# Altium PCB PCB1.PcbDoc (part 2 of 3)
Units mm, origin at the board's own origin, x right, y up, seen from the top; angles counter-clockwise.
Board outline 120 x 57 mm, 4 copper layers (Layer 1, Layer 2, Layer 3, Layer 4), stack 1.283 mm thick; 163 components, 105 nets, 545 pads, 1469 vias.
Unrouted connection lines stored in the file: 2.
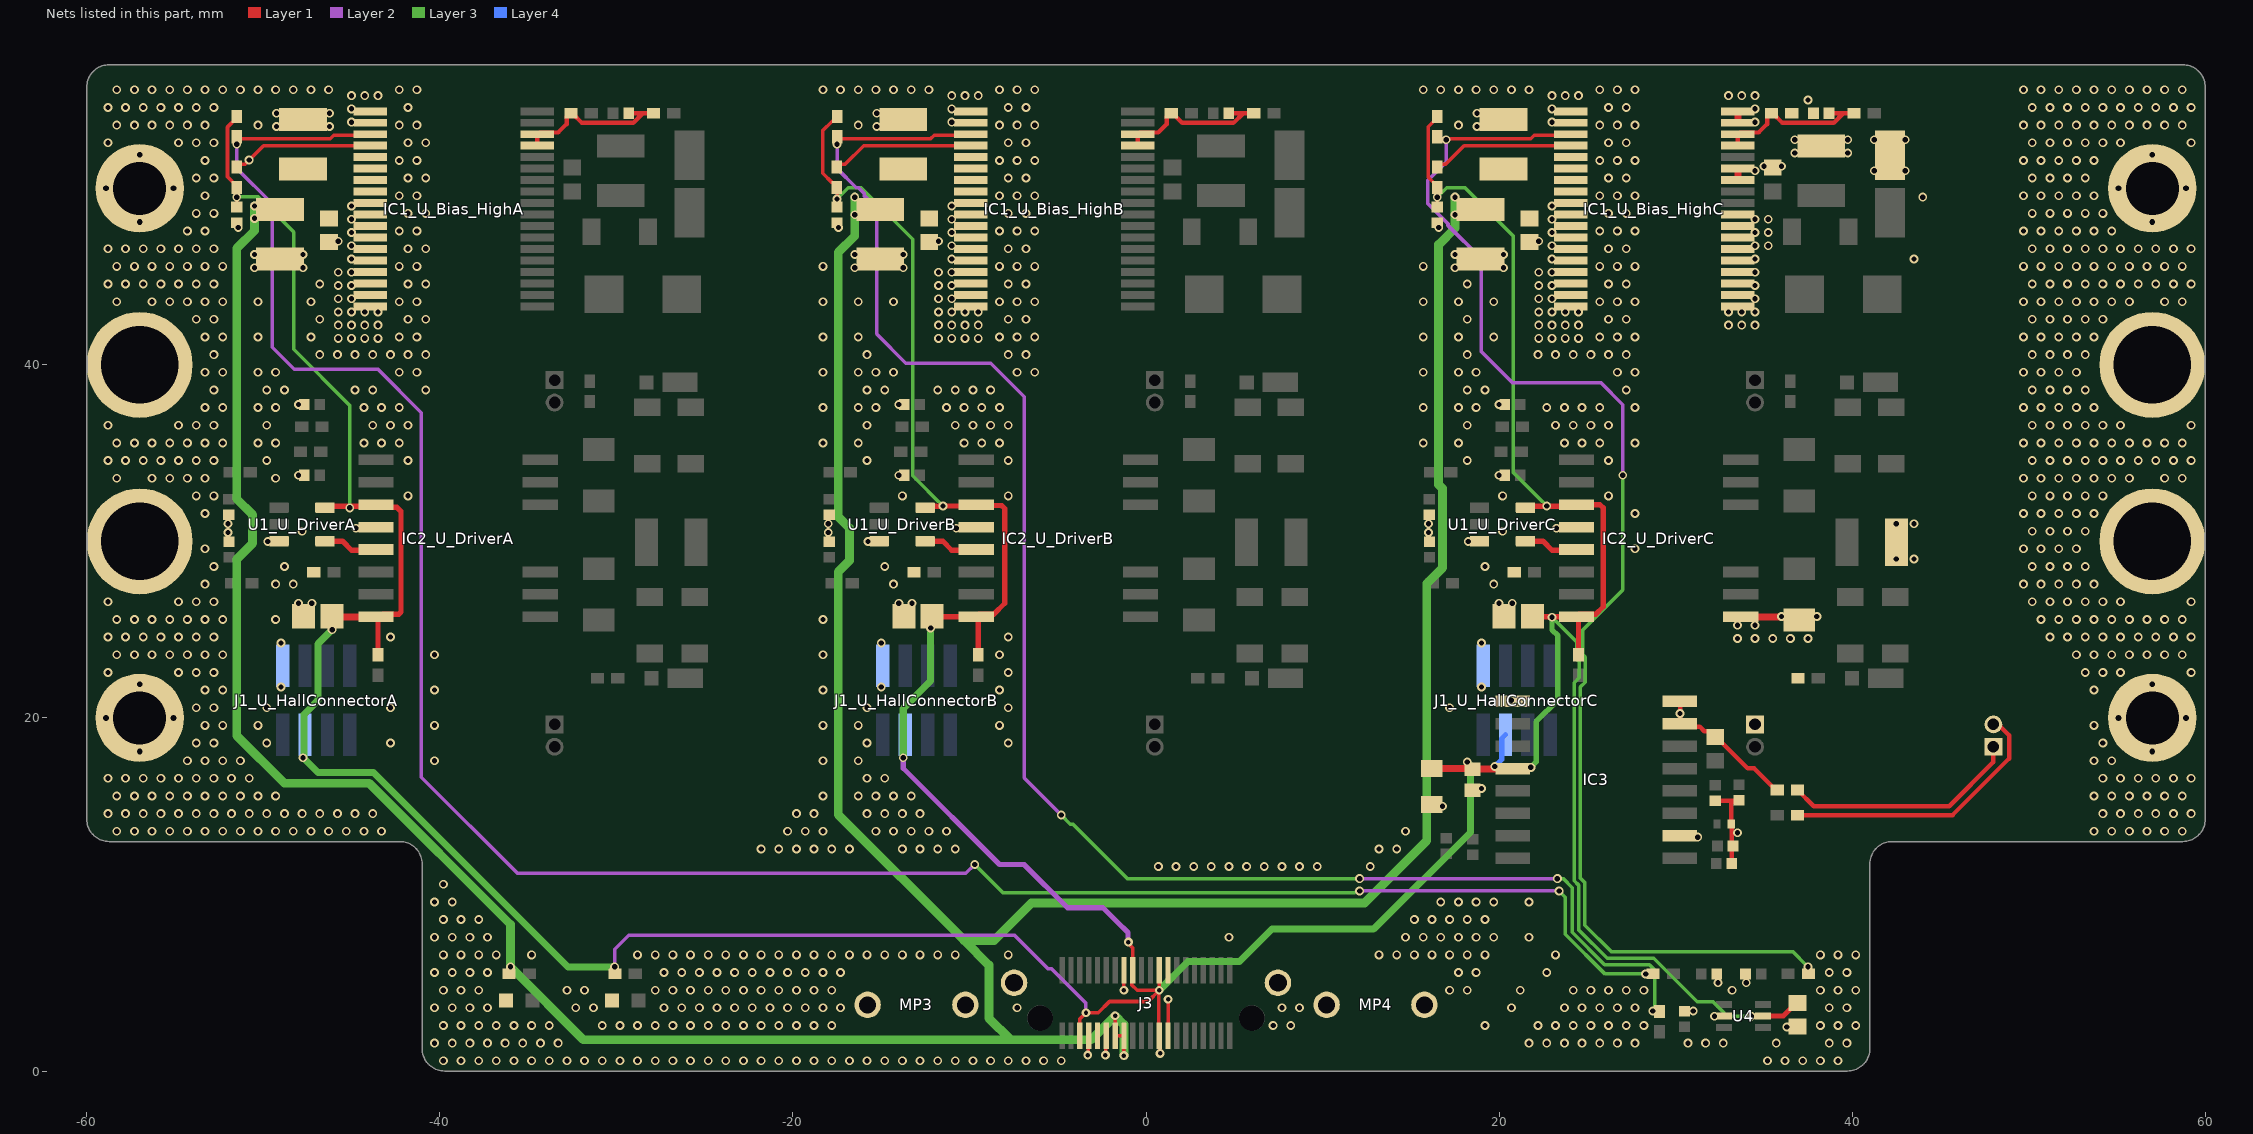
[diagram p4: the nets of this part, all layers, seen from the top]

## Part data
C1_U_Bias_HighA C1_U_Bias_HighB C1_U_Bias_HighC C4_U_Bias_HighA C4_U_Bias_HighB C4_U_Bias_HighC: library part ZRB15XR60J106ME12D, "CAP CER 10UF 6.3V X5R 0402", Capacitance="10 µF", Device Package="0402 (1005 Metric)", Manufacturer="Murata Electronics", Operating Temperature="-55°C ~ 85°C", Supplier Part Number 1=490-13251-1-ND, Temperature Coefficient=X5R, Tolerance=±20%, Voltage - Rated=6.3V, Applications="Acoustic Noise Reduction", componentlink1description=Datasheet, componentlink1url=https://psearch.en.murata.com/capacitor/product/ZRB15XR60J106ME12%23.pdf, ComponentLink2Description="DigiKey Link", ComponentLink2URL=https://www.digikey.com/en/products/detail/murata-electronics/ZRB15XR60J106ME12D/5877414, Features="Interposer Termination", lastupdated="2/9/2024 8:04:31 PM", Lifecycle Status=Active, Minimum Order=1, Mounting Type="Surface Mount, MLCC", Package / Case="0402 (1005 Metric)", packaging=TapeAndReel, Part Number=ZRB15XR60J106ME12D, Part Status=Active, partid=6019, Price=0.03, Series=ZRB, Size / Dimension="0.039\" L x 0.020\" W (1.00mm x 0.50mm)", Supplier 1=DigiKey, Thickness (Max)="0.031\" (0.80mm)"
C2_U_Bias_HighA C2_U_Bias_HighB C2_U_Bias_HighC C6_U_Bias_HighA C6_U_Bias_HighB C6_U_Bias_HighC C7_U_Bias_HighA C7_U_Bias_HighB C7_U_Bias_HighC C19_U_DriverA C19_U_DriverB C19_U_DriverC: library part MSAST32NSB5106MTNA01, "CAP CER 10UF 25V X5R 1210", Capacitance="10 µF", Device Package="1210 (3225 Metric)", Manufacturer="Taiyo Yuden", Operating Temperature="-55°C ~ 85°C", Supplier Part Number 1=587-MSAST32NSB5106MTNA01CT-ND, Temperature Coefficient=X5R, Tolerance=±20%, Voltage - Rated=25V, Applications="SMPS Filtering", componentlink1description=Datasheet, componentlink1url=https://mm.digikey.com/Volume0/opasdata/d220001/medias/docus/5731/MSR01_e.pdf, ComponentLink2Description="DigiKey Link", ComponentLink2URL=https://www.digikey.com/en/products/detail/taiyo-yuden/MSAST32NSB5106MTNA01/16661899, lastupdated="6/4/2024 7:20:40 PM", Lifecycle Status=Active, Minimum Order=1, Mounting Type="Surface Mount, MLCC", Package / Case="1210 (3225 Metric)", packaging=TapeAndReel, Part Number=MSAST32NSB5106MTNA01, partid=58126, Price=0.08, Series=MSAS, Size / Dimension="0.126\" L x 0.098\" W (3.20mm x 2.50mm)", Supplier 1=DigiKey, Thickness (Max)="0.083\" (2.10mm)"
C3_U_Bias_HighA C3_U_Bias_HighB C3_U_Bias_HighC C5_U_Bias_HighA C5_U_Bias_HighB C5_U_Bias_HighC C26: library part C0603C104K5RAC7411, "CAP CER 0.1UF 50V X7R 0603", Device Package="0603 (1608 Metric)", Manufacturer=KEMET, Operating Temperature="-55°C ~ 125°C", Supplier Part Number 1=399-C0603C104K5RAC7411CT-ND, Temperature Coefficient=X7R, Tolerance=±10%, Voltage - Rated=50V, Applications="Bypass, Decoupling", Capacitance="0.1 µF", componentlink1description=Datasheet, componentlink1url=https://api.kemet.com/component-edge/download/datasheet/C0603C104K5RAC7411.pdf, ComponentLink2Description="DigiKey Link", ComponentLink2URL=https://www.digikey.com/en/products/detail/kemet/C0603C104K5RAC7411/3317013, lastupdated="2/9/2024 8:10:30 PM", Lifecycle Status=Active, Minimum Order=1, Mounting Type="Surface Mount, MLCC", Package / Case="0603 (1608 Metric)", packaging=TapeAndReel, Part Number=C0603C104K5RAC7411, Part Status=Active, partid=2233, Price=0.01, Series="SMD Comm X7R", Size / Dimension="0.063\" L x 0.031\" W (1.60mm x 0.80mm)", Supplier 1=DigiKey, Thickness (Max)="0.035\" (0.90mm)"
C8 C35: library part C0402C104K4RECAUTO, "CAP CER 0402 0.1UF 16V X7R 10%", Device Package="0402 (1005 Metric)", Manufacturer=KEMET, Operating Temperature="-55°C ~ 125°C", Ratings=AEC-Q200, Supplier Part Number 1=399-17167-1-ND, Temperature Coefficient=X7R, Tolerance=±10%, Voltage - Rated=16V, Applications="Automotive, ESD Protection", Capacitance="0.1 µF", componentlink1description=Datasheet, componentlink1url=https://api.kemet.com/component-edge/download/datasheet/C0402C104K4RECAUTO.pdf, ComponentLink2Description="DigiKey Link", ComponentLink2URL=https://www.digikey.com/en/products/detail/kemet/C0402C104K4RECAUTO/8563695, lastupdated="2/9/2024 8:04:38 PM", Lifecycle Status=Active, Minimum Order=1, Mounting Type="Surface Mount, MLCC", Package / Case="0402 (1005 Metric)", packaging=TapeAndReel, Part Number=C0402C104K4RECAUTO, Part Status=Active, partid=1731, Price=0.01, Series="ESD SMD Auto X7R", Size / Dimension="0.039\" L x 0.020\" W (1.00mm x 0.50mm)", Supplier 1=DigiKey, Thickness (Max)="0.022\" (0.55mm)"
C9_U_DriverA C9_U_DriverB C9_U_DriverC: library part CGA4J3X7R1C155M125AB, "CAP CER 1.5UF 16V X7R 0805", Capacitance="1.5 µF", Device Package="0805 (2012 Metric)", Manufacturer="TDK Corporation", Operating Temperature="-55°C ~ 125°C", Ratings=AEC-Q200, Supplier Part Number 1=445-12732-1-ND, Temperature Coefficient=X7R, Tolerance=±20%, Voltage - Rated=16V, Applications=Automotive, componentlink1description=Datasheet, componentlink1url=https://product.tdk.com/info/en/catalog/datasheets/mlcc_automotive_general_en.pdf?ref_disty=digikey, ComponentLink2Description="DigiKey Link", ComponentLink2URL=https://www.digikey.com/en/products/detail/tdk-corporation/CGA4J3X7R1C155M125AB/3949968, lastupdated="2/9/2024 8:15:20 PM", Lifecycle Status=Active, Minimum Order=1, Mounting Type="Surface Mount, MLCC", Package / Case="0805 (2012 Metric)", packaging=TapeAndReel, Part Number=CGA4J3X7R1C155M125AB, Part Status=Active, partid=18072, Price=0.04, Series=CGA, Size / Dimension="0.079\" L x 0.049\" W (2.00mm x 1.25mm)", Supplier 1=DigiKey, Thickness (Max)="0.057\" (1.45mm)"
C10 C25: library part ZRB157R61E225KE11D, "CAP CER 2.2UF 25V X5R 0402", Capacitance="2.2 µF", Device Package="0402 (1005 Metric)", Manufacturer="Murata Electronics", Operating Temperature="-55°C ~ 85°C", Supplier Part Number 1=490-10982-1-ND, Temperature Coefficient=X5R, Tolerance=±10%, Voltage - Rated=25V, Applications="Acoustic Noise Reduction", componentlink1description=Datasheet, componentlink1url=https://search.murata.co.jp/Ceramy/image/img/A01X/G101/ENG/ZRB157R61E225KE11-01.pdf, ComponentLink2Description="DigiKey Link", ComponentLink2URL=https://www.digikey.com/en/products/detail/murata-electronics/ZRB157R61E225KE11D/5321074, Features="Interposer Termination", lastupdated="2/9/2024 8:04:27 PM", Lifecycle Status=Active, Minimum Order=1, Mounting Type="Surface Mount, MLCC", Package / Case="0402 (1005 Metric)", packaging=TapeAndReel, Part Number=ZRB157R61E225KE11D, Part Status=Active, partid=8590, Price=0.04, Series=ZRB, Size / Dimension="0.039\" L x 0.020\" W (1.00mm x 0.50mm)", Supplier 1=DigiKey, Thickness (Max)="0.033\" (0.85mm)"
C11: library part GRM155C71A105KE11D, "CAP CER 1UF 10V X7S 0402", Capacitance="1 µF 25V", Device Package="0402 (1005 Metric)", Manufacturer="Murata Electronics", Operating Temperature="-55°C ~ 125°C", Supplier Part Number 1=490-14457-1-ND, Temperature Coefficient=X7S, Tolerance=±10%, Voltage - Rated=10V, Applications="General Purpose", componentlink1description=Datasheet, componentlink1url=https://search.murata.co.jp/Ceramy/image/img/A01X/G101/ENG/GRM155C71A105KE11-01.pdf, ComponentLink2Description="DigiKey Link", ComponentLink2URL=https://www.digikey.com/en/products/detail/murata-electronics/GRM155C71A105KE11D/6606086, lastupdated="7/23/2025 10:42:36 AM", Lifecycle Status=Active, Minimum Order=1, Mounting Type="Surface Mount, MLCC", Package / Case="0402 (1005 Metric)", packaging=TapeAndReel, Part Number=GRM155C71A105KE11D, Part Status=Active, partid=1749, Price=0.01, Series=GRM, Size / Dimension="0.039\" L x 0.020\" W (1.00mm x 0.50mm)", Supplier 1=DigiKey, Thickness (Max)="0.024\" (0.60mm)"
C12: library part UMK105CG102JVHF, "CAP CER 1000PF 50V C0G/NP0 0402", Capacitance="1000 pF 25V", Device Package="0402 (1005 Metric)", Manufacturer="Taiyo Yuden", Operating Temperature="-55°C ~ 125°C", Ratings=AEC-Q200, Supplier Part Number 1=587-3737-1-ND, Temperature Coefficient="C0G, NP0", Tolerance=±5%, Voltage - Rated=50V, Applications=Automotive, componentlink1description=Datasheet, componentlink1url="https://ds.yuden.co.jp/TYCOMPAS/ut/detail?pn=UMK105CG102JVHF &u=M", ComponentLink2Description="DigiKey Link", ComponentLink2URL=https://www.digikey.com/en/products/detail/taiyo-yuden/UMK105CG102JVHF/4811103, lastupdated="2/9/2024 8:04:38 PM", Lifecycle Status=Active, Minimum Order=1, Mounting Type="Surface Mount, MLCC", Package / Case="0402 (1005 Metric)", packaging=TapeAndReel, Part Number=UMK105CG102JVHF, Part Status=Active, partid=1779, Price=0.01, Series=M, Size / Dimension="0.039\" L x 0.020\" W (1.00mm x 0.50mm)", Supplier 1=DigiKey, Thickness (Max)="0.022\" (0.55mm)"
C13: library part CMP-08246-001507-1, "Cap Ceramic 1uF 25V X7R 10% Pad SMD 0603 +125°C Automotive T/R", Capacitance=1uF, Case Code (Imperial)=0603, Case Code (Metric)=1608, Dielectric=X7R, Max Operating Temperature=125°C, Min Operating Temperature=-55°C, Package Quantity=4000, Ratings=AEC-Q200, Tolerance=10%, Voltage=25V, Case/Package=0603, Composition=Ceramic, Depth=0.8mm, Height=0.8mm, Lead Free="Lead Free", Length=1.6mm, Mount="Surface Mount", packaging="Tape and Reel", REACH SVHC="No SVHC", Termination=SMD/SMT, Thickness=0.035inch, Voltage Rating=25V, Voltage Rating (DC)=25V, Weight=7.1E-05oz, Width=0.031inch
C14: library part VJ0603Y104MXQCW1BC, Capacitance="0.1 µF", Device Package="0603 (1608 Metric)", Manufacturer="Vishay Vitramon", Operating Temperature="-55°C ~ 125°C", Supplier Part Number 1=720-VJ0603Y104MXQCW1BCCT-ND, Temperature Coefficient=X7R, Tolerance=±20%, Voltage - Rated=10V, Applications="General Purpose", componentlink1description=Datasheet, componentlink1url=https://www.vishay.com/docs/28548/vjw1bcbascomseries.pdf, ComponentLink2Description="DigiKey Link", ComponentLink2URL=https://www.digikey.com/en/products/detail/vishay-vitramon/VJ0603Y104MXQCW1BC/8305323, lastupdated="2/9/2024 8:09:54 PM", Lifecycle Status=Active, Minimum Order=1, Mounting Type="Surface Mount, MLCC", Package / Case="0603 (1608 Metric)", packaging=TapeAndReel, Part Number=VJ0603Y104MXQCW1BC, Part Status=Active, partid=34594, Price=0.01, Series="VJ W1BC", Size / Dimension="0.063\" L x 0.031\" W (1.60mm x 0.80mm)", Supplier 1=DigiKey, Thickness (Max)="0.034\" (0.87mm)"
C17_U_DriverA C17_U_DriverB C17_U_DriverC C20_U_DriverA C20_U_DriverB C20_U_DriverC C22_U_DriverA C22_U_DriverB C22_U_DriverC C23_U_DriverA C23_U_DriverB C23_U_DriverC: library part ZRB157R61E225KE11D, "CAP CER 2F 25V X5R 0402", Capacitance="2.2 µF", Device Package="0402 (1005 Metric)", Manufacturer="Murata Electronics", Operating Temperature="-55°C ~ 85°C", Supplier Part Number 1=490-10982-1-ND, Temperature Coefficient=X5R, Tolerance=±10%, Voltage - Rated=25V, Applications="Acoustic Noise Reduction", componentlink1description=Datasheet, componentlink1url=https://search.murata.co.jp/Ceramy/image/img/A01X/G101/ENG/ZRB157R61E225KE11-01.pdf, ComponentLink2Description="DigiKey Link", ComponentLink2URL=https://www.digikey.com/en/products/detail/murata-electronics/ZRB157R61E225KE11D/5321074, Features="Interposer Termination", lastupdated="2/9/2024 8:04:27 PM", Lifecycle Status=Active, Minimum Order=1, Mounting Type="Surface Mount, MLCC", Package / Case="0402 (1005 Metric)", packaging=TapeAndReel, Part Number=ZRB157R61E225KE11D, Part Status=Active, partid=8590, Price=0.04, Series=ZRB, Size / Dimension="0.039\" L x 0.020\" W (1.00mm x 0.50mm)", Supplier 1=DigiKey, Thickness (Max)="0.033\" (0.85mm)"
C18_U_DriverA C18_U_DriverB C18_U_DriverC C21_U_DriverA C21_U_DriverB C21_U_DriverC: library part VPDD631W103K1GV001E, "HV CAP 0.01F 630V 1206 X7R", Capacitance="10000 pF", Device Package="1206 (3216 Metric)", Manufacturer="Johanson Dielectrics Inc.", Operating Temperature="-55°C ~ 125°C", Supplier Part Number 1=709-VPDD631W103K1GV001ECT-ND, Temperature Coefficient=X7R, Tolerance=±10%, Voltage - Rated=630V, Applications="General Purpose", componentlink1description=Datasheet, componentlink1url=https://www.johansondielectrics.com/datasheets/export/e1.php?name=VPDD631W103K1GV001E, ComponentLink2Description="DigiKey Link", ComponentLink2URL=https://www.digikey.com/en/products/detail/johanson-dielectrics-inc/VPDD631W103K1GV001E/21283575, Features="High Voltage", lastupdated="6/4/2024 7:09:59 PM", Lifecycle Status=Active, Minimum Order=1, Mounting Type="Surface Mount, MLCC", Package / Case="1206 (3216 Metric)", packaging=TapeAndReel, Part Number=VPDD631W103K1GV001E, partid=57082, Price=0.02, Series=HVS-PME, Size / Dimension="0.125\" L x 0.062\" W (3.17mm x 1.57mm)", Supplier 1=DigiKey, Thickness (Max)="0.067\" (1.70mm)"
C24: library part CMP-2006-03022-3, "CAP CER 1000PF 50V X7R 0603", Capacitance="1,000 pF", Manufacturer=KEMET, Package=C0603C-CF, Temperature="-55°C to +125°C", Temperature Characteristic=X7R, Temperature Coefficient=30ppm/°C, Temperature Range High=+125°C, Temperature Range Low=-55°C, Tolerance=0.1, Voltage Rating="50 V", Automotive=Yes, Automotive Grade="Grade 1", Category=Cap, ComponentLink2Description=Datasheet, ComponentLink2URL=https://api.kemet.com/component-edge/download/datasheet/C0603C100J5GACAUTO.pdf, Device Class L1="Passive Components", Device Class L2=Capacitors, Device Class L3="Ceramic Capacitors", Digikey Description="CAP CER 1000PF 50V X7R 0603", Height=0.87mm, Lead Free=Yes, Manufacturer Part Number=C0603C102K5RACTU, Material=Ceramic, Mouser Description="Capacitor; Ceramic; Cap; 1000pF; Tol 10%; SMT; Vol-Rtg 50V; X7R; Tape and Reel", Octopart=https://octopart.com/c0603c102k5ractu-kemet-144878, RoHS=TRUE
C28 C32 C33: library part C0402C103K4RECAUTO, "CAP CER 10000PF 16V X7R 0402", Device Package="0402 (1005 Metric)", Manufacturer=KEMET, Operating Temperature="-55°C ~ 125°C", Ratings=AEC-Q200, Supplier Part Number 1=399-17876-1-ND, Temperature Coefficient=X7R, Tolerance=±10%, Voltage - Rated=16V, Applications="Automotive, ESD Protection", Capacitance="10000 pF", componentlink1description=Datasheet, componentlink1url=https://api.kemet.com/component-edge/download/datasheet/C0402C103K4RECAUTO.pdf, ComponentLink2Description="DigiKey Link", ComponentLink2URL=https://www.digikey.com/en/products/detail/kemet/C0402C103K4RECAUTO/8640470, lastupdated="2/9/2024 8:04:38 PM", Lifecycle Status=Active, Minimum Order=1, Mounting Type="Surface Mount, MLCC", Package / Case="0402 (1005 Metric)", packaging=TapeAndReel, Part Number=C0402C103K4RECAUTO, Part Status=Active, partid=1725, Price=0.01, Series="ESD SMD Auto X7R", Size / Dimension="0.039\" L x 0.020\" W (1.00mm x 0.50mm)", Supplier 1=DigiKey, Thickness (Max)="0.022\" (0.55mm)"
C34: library part TMK105BJ103KP-F, "CAP CER 10000PF 25V X5R 0402", Device Package="0402 (1005 Metric)", Manufacturer="Taiyo Yuden", Operating Temperature="-55°C ~ 85°C", Supplier Part Number 1=587-5593-1-ND, Temperature Coefficient=X5R, Tolerance=±10%, Voltage - Rated=25V, Applications="SMPS Filtering", Capacitance="10000 pF", componentlink1description=Datasheet, componentlink1url="https://ds.yuden.co.jp/TYCOMPAS/ut/detail?pn=TMK105BJ103KP-F  &u=M", ComponentLink2Description="DigiKey Link", ComponentLink2URL=https://www.digikey.com/en/products/detail/taiyo-yuden/TMK105BJ103KP-F/5182051, lastupdated="2/9/2024 8:04:38 PM", Lifecycle Status=Active, Minimum Order=1, Mounting Type="Surface Mount, MLCC", Package / Case="0402 (1005 Metric)", packaging=TapeAndReel, Part Number=TMK105BJ103KP-F, Part Status=Active, partid=1788, Price=0.01, Series=M, Size / Dimension="0.039\" L x 0.020\" W (1.00mm x 0.50mm)", Supplier 1=DigiKey, Thickness (Max)="0.022\" (0.55mm)"
D1_U_DriverA D1_U_DriverB D1_U_DriverC: "Diode", Manufacturer_Name=STMicroelectronics, Mouser Part Number=511-STTH112UFY, Arrow Part Number=STTH112UFY, Arrow Price/Stock=https://www.arrow.com/en/products/stth112ufy/stmicroelectronics?region=europe, Datasheet Link=https://www.st.com/resource/en/datasheet/stth112-y.pdf, Height=1.1mm, Manufacturer_Part_Number=STTH112UFY, Mouser Price/Stock=https://www.mouser.co.uk/ProductDetail/STMicroelectronics/STTH112UFY?qs=DqCdCwOw4%2F7HJr4wLNNIMw%3D%3D
D2_U_DriverA D2_U_DriverB D2_U_DriverC D3_U_DriverA D3_U_DriverB D3_U_DriverC: "Schottky Diode", Arrow Part Number=MSS1P4-M3/89A, Manufacturer_Name=Vishay, Mouser Part Number=625-MSS1P4-M3, Arrow Price/Stock=https://www.arrow.com/en/products/mss1p4-m389a/vishay?utm_currency=USD&region=nac, Datasheet Link=https://www.vishay.com/docs/89019/mss1p4.pdf, Manufacturer_Part_Number=MSS1P4-M3/89A, Mouser Price/Stock=https://www.mouser.co.uk/ProductDetail/Vishay-General-Semiconductor/MSS1P4-M3-89A?qs=fLSHF8TigmUkO6GnwlXAxQ%3D%3D
D4 D5: library part SECU1413C-TG20, "GREEN, D=564NM, IV=75MCD", Current - Test=20mA, Device Package="0603 (1608 Metric)", Manufacturer=Sanken, Millicandela Rating=75mcd, Supplier Device Package=0603, Supplier Part Number 1=1261-SECU1413C-TG20TR-ND, Voltage - Forward (Vf) (Typ)=2.1V, Color=Green, componentlink1description=Datasheet, componentlink1url=https://www.semicon.sanken-ele.co.jp/sk_content/secu1413c-tg20_ds_en.pdf, ComponentLink2Description="DigiKey Link", ComponentLink2URL=https://www.digikey.com/en/products/detail/sanken/SECU1413C-TG20/16639358, Height (Max)=1.48mm, lastupdated="6/3/2024 7:58:48 PM", Lens Size="0.92mm Dia", Lens Style="Round with Domed Top", Lifecycle Status=Active, Minimum Order=1, Mounting Type="Surface Mount", Package / Case="0603 (1608 Metric)", packaging=CutTape, Part Number=SECU1413C-TG20, Part Status=Active, partid=1166, Price=0.28, Series=-, Size / Dimension="1.60mm L x 0.80mm W", Supplier 1=DigiKey, Viewing Angle=60°, Wavelength - Dominant=564nm
D6_U_Bias_HighA D6_U_Bias_HighB D6_U_Bias_HighC: library part CMP-0548-00226-2, "Transient Voltage Suppressor, 6.40 to 231 V, 20 V Stand-off Voltage, Uni-Directional, -55 to 155 degC, 2-pin DO-214AC, Pb-Free, Tape and Reel", Manufacturer="Vishay Semiconductor", Operating Junction and Storage Temperature Range="-55 to 150 degC", componentlink1description="Manufacturer URL", componentlink1url=http://www.vishay.com/, ComponentLink2Description=Datasheet, ComponentLink2URL=http://www.vishay.com/docs/88390/smaj50a.pdf, ComponentLink3Description="Package Specification", ComponentLink3URL=http://www.vishay.com/docs/88390/smaj50a.pdf, DatasheetVersion=12/8/2013, ID (uA)=1, IFSM="40 A", Mounting Technology="Surface Mount", PackageDescription="2-Pin DO-214AC (SMA), Body 4.245 x 2.665 mm", PackageReference=DO-214AC-2, Packing="Tape and Reel", PartNumber=SMAJ20A-E3/61, PPPM (W)="400, 300", RoHS=TRUE, VBR Uni-Directional (V)="6.4 to 231", VWM (V)=20
IC1_U_Bias_HighA IC1_U_Bias_HighB IC1_U_Bias_HighC: "Integrated Circuit", Manufacturer_Name="Texas Instruments", Mouser Part Number=595-UCC14141QDWNRQ1, Arrow Part Number=UCC14141QDWNRQ1, Arrow Price/Stock=https://www.arrow.com/en/products/ucc14141qdwnrq1/texas-instruments?utm_currency=USD&region=nac, Datasheet Link=https://www.ti.com/lit/ds/symlink/ucc14141-q1.pdf?ts=1698771279569&ref_url=https%253A%252F%252Fwww.ti.com%252Fsitesearch%252Fen-us%252Fdocs%252Funiversalsearch.tsp%253FlangPref%253Den-US%2526searchTerm%253DUCC14141QDWNRQ1%2526nr%253D3, Height=3.55mm, Manufacturer_Part_Number=UCC14141QDWNRQ1, Mouser Price/Stock=https://www.mouser.co.uk/ProductDetail/Texas-Instruments/UCC14141QDWNRQ1?qs=HoCaDK9Nz5fMbqXhrb3e4A%3D%3D
IC2_U_DriverA IC2_U_DriverB IC2_U_DriverC: "Integrated Circuit", Manufacturer_Name="Texas Instruments", Mouser Part Number=595-UCC21550ADWKR, Arrow Part Number=UCC21550ADWKR, Arrow Price/Stock=https://www.arrow.com/en/products/ucc21550adwkr/texas-instruments?utm_currency=USD&region=nac, Datasheet Link=https://www.ti.com/lit/gpn/UCC21550, Height=2.65mm, Manufacturer_Part_Number=UCC21550ADWKR, Mouser Price/Stock=https://www.mouser.co.uk/ProductDetail/Texas-Instruments/UCC21550ADWKR?qs=IKkN%2F947nfBAXILs21qR6A%3D%3D
IC3: "Integrated Circuit", Manufacturer_Name="Texas Instruments", Datasheet Link=https://www.ti.com/lit/gpn/amc3311-q1?HQS=ti-null-null-sf-df-pf-sep-wwe&DCM=yes?hkey=EF798316E3902B6ED9A73243A3159BB0, Height=2.65mm, Manufacturer_Part_Number=PAMC3311QDWERQ1
"J2_U_Gate Connector" "J2_U_Gate ConnectorAA" "J2_U_Gate ConnectorAB" "J2_U_Gate ConnectorBA" "J2_U_Gate ConnectorBB" "J2_U_Gate ConnectorCA" "J2_U_Gate ConnectorCB": "Connector Header position", Package=None, Availability=Unavailable, MF=Samtec, MP=TMS-102-01-G-S, Price=None, SnapEDA_Link=https://www.snapeda.com/parts/TMS-102-01-G-S/Samtec%20Inc./view-part/564083/?ref=snap, Toby_UK-Purchase-URL=https://snapeda.com/shop?store=Toby+UK&id=564083
MP1 MP2: library part 9775066360R, "WA-SMSR SMT Steel Spacer Reverse, M3 x 6.6mm", Manufacturer="Wurth Elektronik", Operating Temperature Max=150°C, Operating Temperature Min=-55°C, Category="SMT Spacers", componentlink1description="Website Link", componentlink1url=https://www.we-online.com/redexpert/article/9775066360R?ad, ComponentLink2Description="Datasheet Link", ComponentLink2URL=https://www.we-online.com/redexpert/spec/9775066360R?ad, Inside Diameter=4.2mm, Manufacturer Part Number=9775066360R, Match Code=WA-SMSR, Material=Steel, Mount="Surface Mount", Outside Diameter=6mm, packaging="Tape and Reel", Pin Length=6.6mm, Surface=Tin, Thread Size=M3
MP3 MP4: library part 7466313R, "WP-SMRA REDCUBE SMT Right Angled with pins, M3, 50A", Manufacturer="Wurth Elektronik", Operating Temperature Max=150°C, Operating Temperature Min=-55°C, Rated Current=50A, Category="REDCUBE SMT", componentlink1description="Website Link", componentlink1url=https://www.we-online.com/redexpert/article/7466313R?ad, ComponentLink2Description="Datasheet Link", ComponentLink2URL=https://www.we-online.com/redexpert/spec/7466313R?ad, Height=7mm, Manufacturer Part Number=7466313R, Match Code=WP-SMRA, Material=Brass, Mount="Surface Mount", packaging="Tape and Reel", Surface=Tin, Thread Size=M3
MP5 MP6: library part 9775026360R, "WA-SMSR SMT Steel Spacer Reverse, M3 x 2.6mm", Manufacturer="Wurth Elektronik", Operating Temperature Max=150°C, Operating Temperature Min=-55°C, Category="SMT Spacers", componentlink1description="Website Link", componentlink1url=https://www.we-online.com/redexpert/article/9775026360R?ad, ComponentLink2Description="Datasheet Link", ComponentLink2URL=https://www.we-online.com/redexpert/spec/9775026360R?ad, Inside Diameter=4.2mm, Manufacturer Part Number=9775026360R, Match Code=WA-SMSR, Material=Steel, Mount="Surface Mount", Outside Diameter=6mm, packaging="Tape and Reel", Pin Length=2.6mm, Surface=Tin, Thread Size=M3
R1_U_Bias_HighA R1_U_Bias_HighB R1_U_Bias_HighC R2_U_Bias_HighA R2_U_Bias_HighB R2_U_Bias_HighC R4_U_DriverA R4_U_DriverB R4_U_DriverC R6_U_Bias_HighA R6_U_Bias_HighB R6_U_Bias_HighC R10_U_DriverA R10_U_DriverB R10_U_DriverC R11_U_DriverA R11_U_DriverB R11_U_DriverC R12_U_DriverA R12_U_DriverB R12_U_DriverC R13_U_DriverA R13_U_DriverB R13_U_DriverC R15_U_DriverA R15_U_DriverB R15_U_DriverC R16_U_DriverA R16_U_DriverB R16_U_DriverC R18_U_HallConnectorA R18_U_HallConnectorB R18_U_HallConnectorC R19 R20 R21 R22_U_Bias_HighA R22_U_Bias_HighB R22_U_Bias_HighC R26 R27: library part RP73PF1E249KBTD, "RES 249K OHM 0.1% 1/10W 0402", Device Package="0402 (1005 Metric)", Manufacturer="TE Connectivity Passive Product", Operating Temperature="-55°C ~ 155°C", Power (Watts)="0.1W, 1/10W", Resistance="249 kOhms", Supplier Device Package=0402, Supplier Part Number 1=A127549CT-ND, Temperature Coefficient=±25ppm/°C, Tolerance=±0.1%, componentlink1description=Datasheet, componentlink1url=https://www.te.com/commerce/DocumentDelivery/DDEController?Action=srchrtrv&DocNm=1773272&DocType=DS&DocLang=English, ComponentLink2Description="DigiKey Link", ComponentLink2URL=https://www.digikey.com/en/products/detail/te-connectivity-passive-product/RP73PF1E249KBTD/8261091, Composition="Thin Film", Height - Seated (Max)="0.014\" (0.35mm)", lastupdated="2/9/2024 8:30:24 PM", Lifecycle Status=Active, Minimum Order=1, Number of Terminations=2, Package / Case="0402 (1005 Metric)", packaging=TapeAndReel, Part Number=RP73PF1E249KBTD, Part Status=Active, partid=2418, Price=0.07, Series="RP73, Holsworthy", Size / Dimension="0.039\" L x 0.020\" W (1.00mm x 0.50mm)", Supplier 1=DigiKey
R3_U_DriverA R3_U_DriverB R3_U_DriverC R8_U_DriverA R8_U_DriverB R8_U_DriverC R9_U_DriverA R9_U_DriverB R9_U_DriverC R14_U_DriverA R14_U_DriverB R14_U_DriverC R17_U_DriverA R17_U_DriverB R17_U_DriverC: library part RL1206FR-7W0R1L, "RES 0.1 OHM 1% 1/2W 1206", Device Package="1206 (3216 Metric)", Manufacturer=Yageo, Operating Temperature="-55°C ~ 125°C", Power (Watts)="0.5W, 1/2W", Ratings=AEC-Q200, Resistance="100 mOhms", Supplier Device Package=1206, Supplier Part Number 1=311-0.1LYCT-ND, Temperature Coefficient=±600ppm/°C, Tolerance=±1%, componentlink1description=Datasheet, componentlink1url=http://www.yageo.com/documents/recent/PYu-RL_Group_521_RoHS_L_2.pdf, ComponentLink2Description="DigiKey Link", ComponentLink2URL=https://www.digikey.com/en/products/detail/yageo/RL1206FR-7W0R1L/2827682, Composition="Thick Film", Features="Current Sense", Height - Seated (Max)="0.026\" (0.65mm)", lastupdated="7/25/2024 9:21:39 AM", Lifecycle Status=Active, Minimum Order=1, Number of Terminations=2, Package / Case="1206 (3216 Metric)", packaging=TapeAndReel, Part Number=RL1206FR-7W0R1L, Part Status=Active, partid=26837, Price=0.08, Series=RL, Size / Dimension="0.122\" L x 0.063\" W (3.10mm x 1.60mm)", Supplier 1=DigiKey